# KiCad board Computer Board V2.1.kicad_pcb (continued)
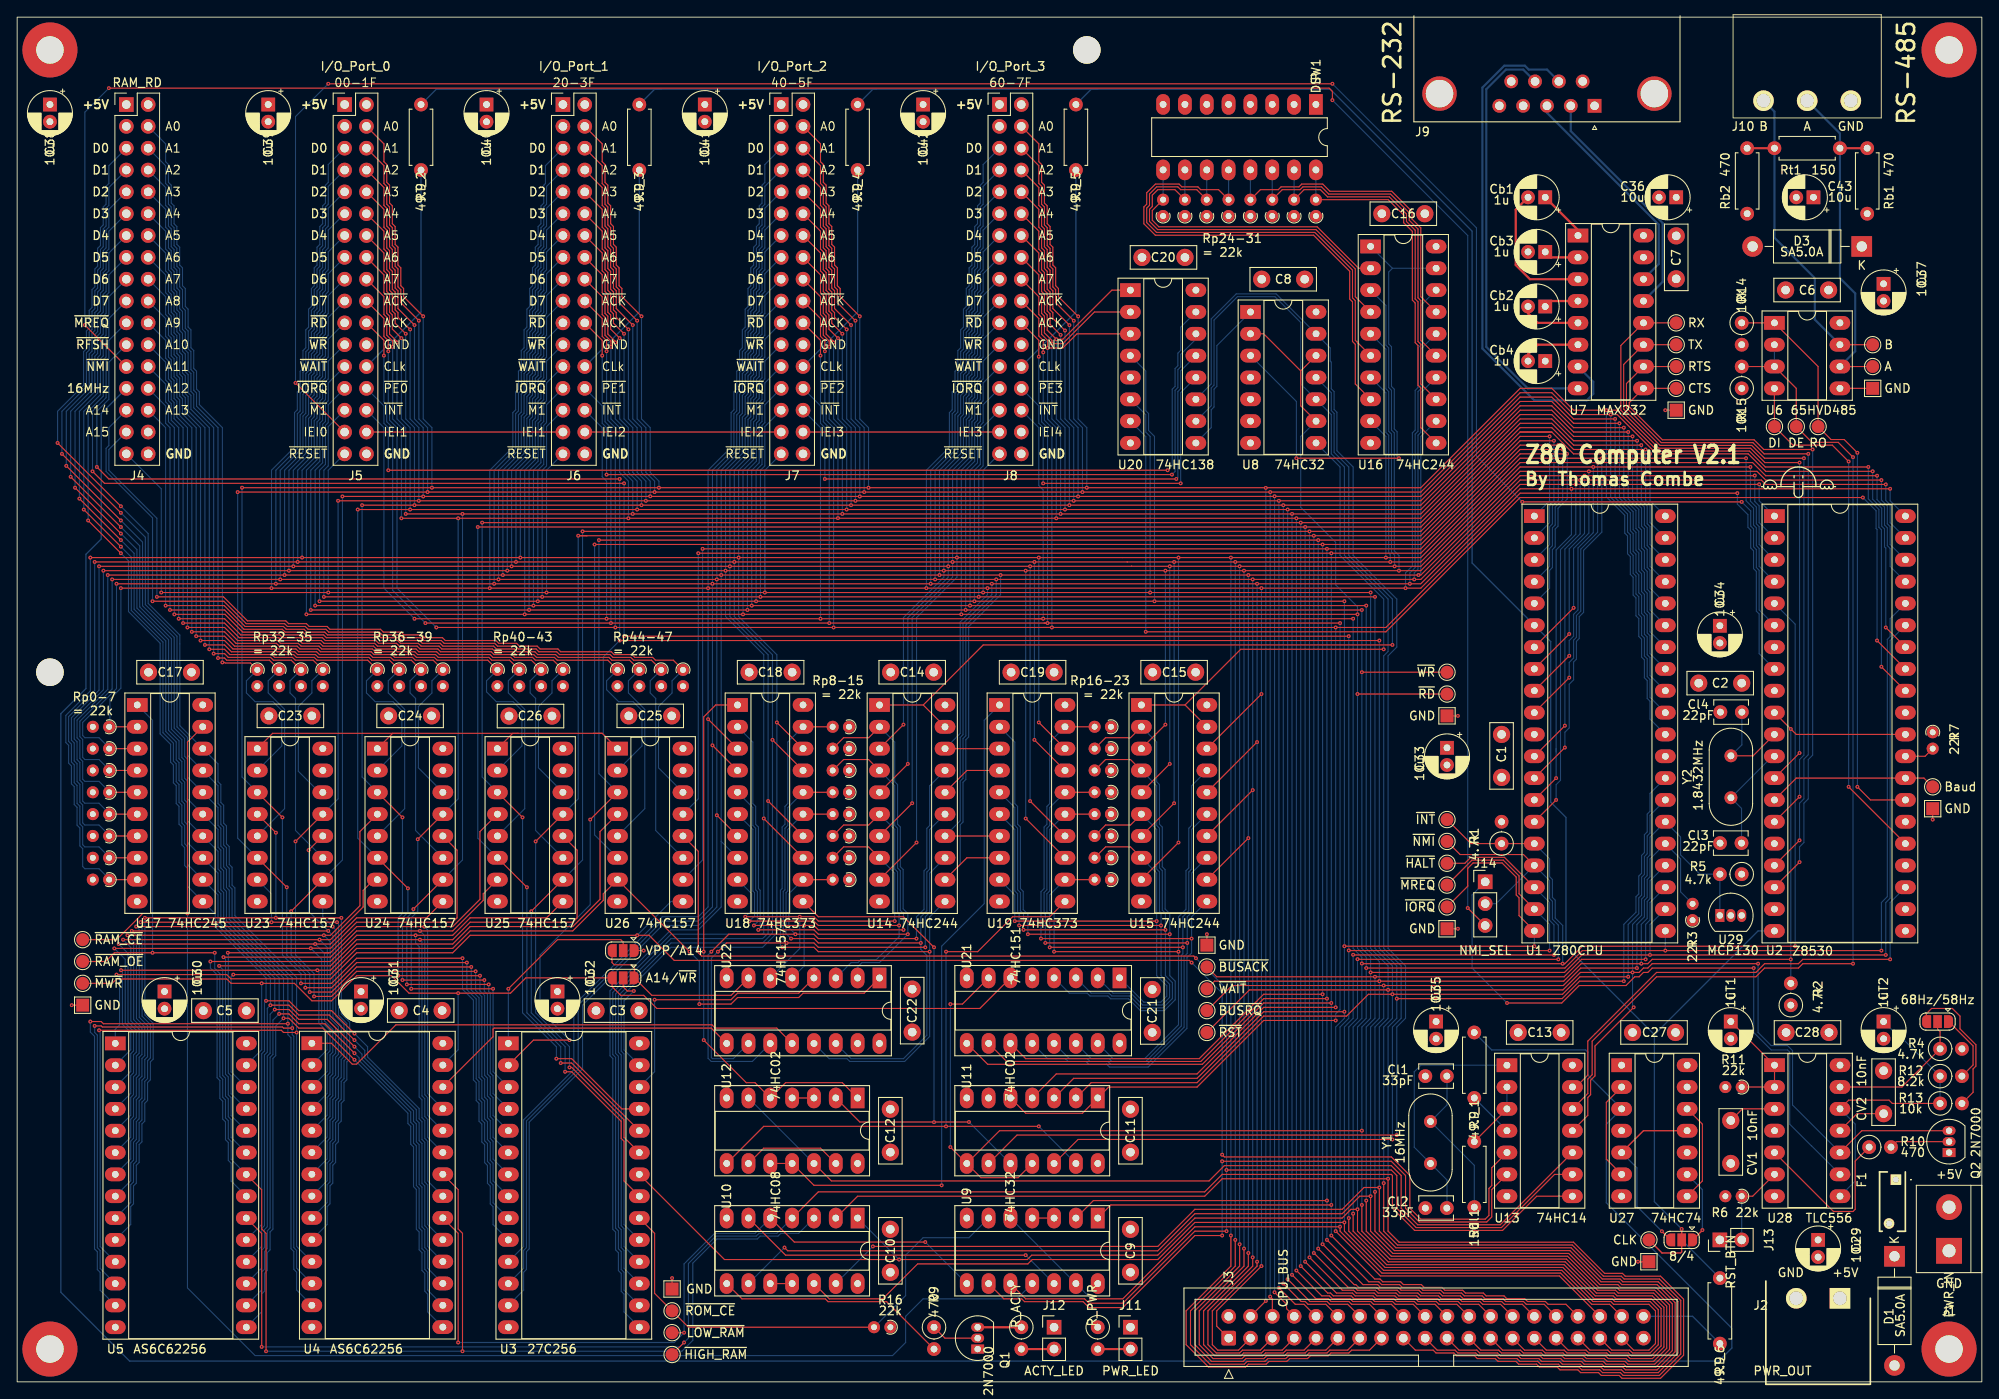
[diagram p0: board, top side]
## Routing (per net, layer and track width the routed paths; a pad name or vN(x,y) marks a point on that pad's centre or on a via; arc(x,y) is an arc through that point) (continued)
  Bottom w0.127: v1(32.13,94.87) 32.13,106.04 33.91,107.82 33.91,112.07 34.23,112.4 34.23,114.48 34.56,114.8 34.56,116.88 34.89,117.21 34.89,119.29 35.21,119.61 35.21,121.69 35.54,122.02 35.54,124.1 35.87,124.42 35.87,126.5 36.2,126.83 36.2,128.9 J5.15 ; v1(180.59,84.45) 180.59,86.23 181.1,86.74 181.1,89.28 181.61,89.79 181.61,97 183.39,98.78 v1(183.39,106.43) ; v1(160.27,94.87) 160.27,96.17 159.91,96.53 159.91,110.25 159.59,110.58 159.59,115.2 159.26,115.52 159.26,120.14 U16.5 ; U2.3 202.69,97.41 202.69,99.49 202.37,99.81 202.37,101.76 201.68,102.45 v1(201.68,106.43) ; v1(117.86,94.87) v1(117.86,67.56) ; J6.15 61.6,128.9 61.6,126.83 61.27,126.5 61.27,124.42 60.94,124.1 60.94,122.02 60.61,121.69 60.61,119.61 60.29,119.29 60.29,117.21 59.96,116.88 59.96,114.8 59.63,114.48 59.63,112.4 59.31,112.07 59.31,107.82 57.53,106.04 v1(57.53,94.87) ; U3.17 70.61,13.21 70.61,15.29 70.28,15.61 70.28,17.69 69.96,18.02 69.96,37.87 69.63,38.2 69.63,45.12 76.07,51.56 86.74,51.56 87.38,52.2 v1(87.38,67.56) 87.38,84.58 82.93,89.03 v1(82.93,94.87) 82.93,106.04 84.71,107.82 84.71,112.07 85.03,112.4 85.03,114.48 85.36,114.8 85.36,116.88 85.69,117.21 85.69,119.29 86.01,119.61 86.01,121.69 86.34,122.02 86.34,124.1 86.67,124.42 86.67,126.5 87,126.83 87,128.9 J7.15 ; 10.79,63.5 9.52,64.77 7.87,64.77 7.62,65.02 7.62,67.1 7.29,67.43 7.29,69.51 6.97,69.83 6.97,71.91 6.64,72.24 6.64,74.32 6.31,74.64 6.31,77.25 9.52,80.46 v1(9.52,94.87) ; v1(103.63,71.88) 103.63,88.9 108.33,93.6 v1(108.33,94.87) 108.33,106.04 110.11,107.82 110.11,112.07 110.43,112.4 110.43,114.48 110.76,114.8 110.76,116.88 111.09,117.21 111.09,119.29 111.41,119.61 111.41,121.69 111.74,122.02 111.74,124.1 112.07,124.42 112.07,126.5 112.4,126.83 112.4,128.9 J8.15 ; v1(134.11,94.87) v1(134.11,71.88) ; v1(142.24,94.87) v1(142.24,16)
/D6: length 776.1
  Top w0.127: 176.53,77.86 v1(180.59,81.91) ; U15.7 v1(134.62,67.31) ; v1(9.02,95.38) v1(108.84,95.38) v1(118.36,95.38) 129.15,95.38 129.17,95.4 129.19,95.38 v1(134.62,95.38) 163.32,95.38 174.88,106.93 v1(183.9,106.93) 201.93,106.93 203.45,105.41 v1(216.41,105.41) ; J3.13 154.81,3.68 152.74,3.68 152.41,3.36 150.33,3.36 150,3.03 147.93,3.03 147.6,2.7 145.52,2.7 145.19,2.38 143.12,2.38 142.79,2.05 138.8,2.05 136.53,4.32 136.53,8.25 141.73,13.46 v1(141.73,16.51) ; 10.79,60.96 U17.8 ; 100.34,63.51 v1(104.14,67.31) ; v1(118.36,74.68) U19.17 ; U18.17 v1(87.88,74.68)
  Bottom w0.127: U3.18 70.61,15.75 70.61,17.83 70.28,18.15 70.28,38.01 69.96,38.34 69.96,44.94 76.07,51.05 86.74,51.05 87.88,52.2 v1(87.88,74.68) 87.88,84.58 83.44,89.03 v1(83.44,95.38) 83.44,106.04 85.03,107.64 85.03,111.94 85.36,112.26 85.36,114.34 85.69,114.67 85.69,116.75 86.01,117.07 86.01,119.15 86.34,119.48 86.34,121.56 86.67,121.88 86.67,123.96 87,124.29 87,126.36 J7.17 ; J6.17 61.6,126.36 61.6,124.29 61.27,123.96 61.27,121.88 60.94,121.56 60.94,119.48 60.61,119.15 60.61,117.07 60.29,116.75 60.29,114.67 59.96,114.34 59.96,112.26 59.63,111.94 59.63,107.64 58.04,106.04 v1(58.04,95.38) ; v1(183.9,106.93) 183.9,98.83 181.94,96.87 181.94,89.65 181.43,89.15 181.43,86.61 181.1,86.28 181.1,84.2 180.59,83.69 v1(180.59,81.91) ; J5.17 36.2,126.36 36.2,124.29 35.87,123.96 35.87,121.88 35.54,121.56 35.54,119.48 35.21,119.15 35.21,117.07 34.89,116.75 34.89,114.67 34.56,114.34 34.56,112.26 34.23,111.94 34.23,107.64 32.64,106.04 v1(32.64,95.38) ; v1(134.62,67.31) v1(134.62,95.38) ; J8.17 112.4,126.36 112.4,124.29 112.07,123.96 112.07,121.88 111.74,121.56 111.74,119.48 111.41,119.15 111.41,117.07 111.09,116.75 111.09,114.67 110.76,114.34 110.76,112.26 110.43,111.94 110.43,107.64 108.84,106.04 v1(108.84,95.38) 108.84,93.6 104.14,88.9 v1(104.14,67.31) ; 10.79,60.96 9.52,62.23 7.87,62.23 7.62,62.48 7.62,64.56 7.29,64.89 7.29,66.97 6.97,67.29 6.97,69.37 6.64,69.7 6.64,71.78 6.31,72.1 6.31,74.18 5.99,74.51 5.99,77.39 9.02,80.42 v1(9.02,95.38) ; U16.7 159.26,115.06 159.26,110.44 159.59,110.12 159.59,96.39 159.77,96.21 v1(159.77,95.38) ; v1(216.41,105.41) 216.41,102.63 217.28,101.76 217.28,99.68 217.6,99.35 217.6,97.27 217.93,96.95 217.93,94.87 219.71,93.09 ; v1(118.36,95.38) v1(118.36,74.68) ; v1(141.73,95.38) v1(141.73,16.51)
/D7: length 765.7
  Top w0.127: v1(8.51,95.88) v1(109.35,95.88) v1(135.13,95.88) v1(159.26,95.88) 163.32,95.88 174.88,107.44 v1(184.4,107.44) v1(201.17,107.44) ; J3.15 157.35,3.68 155.28,3.68 154.95,3.36 152.87,3.36 152.54,3.03 150.47,3.03 150.14,2.7 148.06,2.7 147.73,2.38 145.66,2.38 145.33,2.05 143.25,2.05 142.93,1.72 138.61,1.72 136.02,4.32 136.02,8.25 141.22,13.46 v1(141.22,17.02) ; 176.53,70.24 v1(180.09,73.79) ; U15.9 v1(135.13,62.74) ; v1(118.87,76.71) U19.18 ; U18.18 v1(88.39,76.71) ; 100.34,58.43 v1(104.65,62.74) ; 10.79,58.42 U17.9
  Bottom w0.127: v1(159.26,95.88) 159.26,109.98 U16.9 ; v1(33.15,95.88) 33.15,106.04 34.56,107.46 34.56,111.8 34.89,112.13 34.89,114.21 35.21,114.53 35.21,116.61 35.54,116.94 35.54,119.02 35.87,119.34 35.87,121.42 36.2,121.75 36.2,123.82 J5.19 ; v1(201.17,107.44) 201.17,102.5 202.04,101.63 202.04,99.68 202.37,99.35 202.37,97.27 202.69,96.95 202.69,94.87 204.47,93.09 ; v1(104.65,62.74) 104.65,88.9 109.35,93.6 v1(109.35,95.88) 109.35,106.04 110.76,107.46 110.76,111.8 111.09,112.13 111.09,114.21 111.41,114.53 111.41,116.61 111.74,116.94 111.74,119.02 112.07,119.34 112.07,121.42 112.4,121.75 112.4,123.82 J8.19 ; v1(184.4,107.44) 184.38,107.42 184.38,98.85 182.26,96.73 182.26,89.52 181.76,89.01 181.76,86.47 181.43,86.14 181.43,84.07 181.1,83.74 181.1,81.66 180.59,81.15 180.59,76.07 180.09,75.56 v1(180.09,73.79) ; v1(118.87,95.88) v1(118.87,76.71) ; v1(58.55,95.88) 58.55,106.04 59.96,107.46 59.96,111.8 60.29,112.13 60.29,114.21 60.61,114.53 60.61,116.61 60.94,116.94 60.94,119.02 61.27,119.34 61.27,121.42 61.6,121.75 61.6,123.82 J6.19 ; U3.19 70.61,18.29 70.61,38.15 70.28,38.47 70.28,44.76 76.07,50.55 86.74,50.55 88.39,52.2 v1(88.39,76.71) 88.39,84.58 83.95,89.03 v1(83.95,95.88) 83.95,106.04 85.36,107.46 85.36,111.8 85.69,112.13 85.69,114.21 86.01,114.53 86.01,116.61 86.34,116.94 86.34,119.02 86.67,119.34 86.67,121.42 87,121.75 87,123.82 J7.19 ; v1(8.51,95.88) 8.51,80.37 5.66,77.52 5.66,74.37 5.99,74.04 5.99,71.97 6.31,71.64 6.31,69.56 6.64,69.24 6.64,67.16 6.97,66.83 6.97,64.75 7.29,64.43 7.29,62.35 7.62,62.02 7.62,59.94 7.87,59.69 9.52,59.69 10.79,58.42 ; v1(141.22,95.88) v1(141.22,17.02) ; v1(135.13,95.88) v1(135.13,62.74)
/DE: length 124.3
  Top w0.127: v1(213.61,48.64) 207.77,48.64 207.26,48.13 203.33,48.13 202.31,47.12 190.75,47.12 183.26,39.62 183.26,35.72 182.75,35.22 182.75,33.54 U13.12 ; R15.2 U6.3 207.01,115.57 TP35.1 208.84,109.29 211.89,109.29 v1(213.61,107.57)
  Bottom w0.127: v1(213.61,48.64) v1(213.61,107.57) ; U6.2 U6.3
/DI: length 61.9
  Top w0.127: U6.4 TP36.1 206.63,108.97 211.2,108.97 v1(213.11,107.06) ; U2.25 v1(213.11,69.22)
  Bottom w0.127: v1(213.11,107.06) v1(213.11,69.22)
/DIP0: length 34.1
  Top w0.127: Rp_31.2 132.08,136.26 132.08,135.13 132.84,134.37 151.26,134.37 156.08,129.54 U16.2
  Bottom w0.127: SW1.9 Rp_31.2
/DIP1: length 43.2
  Top w0.127: Rp_30.2 134.71,138.68 132.72,138.68 132.08,138.05 132.08,136.73 131.75,136.4 131.75,134.99 132.71,134.04 151.12,134.04 155.7,129.46 155.7,126.24 U16.4
  Bottom w0.127: SW1.10 Rp_30.2
/DIP2: length 51.6
  Top w0.127: U16.6 155.7,121.16 155.7,125.78 155.38,126.1 155.38,129.32 150.99,133.71 132.57,133.71 131.43,134.86 131.43,136.54 131.75,136.86 131.75,138.18 132.58,139.01 135.06,139.01 135.38,138.68 137.25,138.68 Rp_29.2
  Bottom w0.127: SW1.11 Rp_29.2
/DIP3: length 60
  Top w0.127: Rp_28.2 139.79,138.68 137.71,138.68 137.39,139.01 135.52,139.01 135.19,139.34 132.44,139.34 131.43,138.32 131.43,137 131.1,136.67 131.1,134.72 132.44,133.38 150.85,133.38 155.05,129.19 155.05,125.97 155.38,125.64 155.38,121.02 155.7,120.7 155.7,116.08 U16.8
  Bottom w0.127: SW1.12 Rp_28.2
/DIP4: length 37.2
  Top w0.127: U16.17 163.32,126.24 163.32,134.24 162.31,135.25 162.31,136.13 159.94,138.5 152.75,138.5 151.91,139.34 149.47,139.34 149.14,139.01 147.06,139.01 146.74,138.68 144.66,138.68 Rp_27.2
  Bottom w0.127: SW1.13 Rp_27.2
/DIP5: length 39.2
  Top w0.127: Rp_26.2 147.2,138.68 149.28,138.68 149.6,139.01 151.77,139.01 152.61,138.17 159.8,138.17 161.98,136 161.98,135.12 163,134.1 163,126.1 163.32,125.78 163.32,121.16 U16.15
  Bottom w0.127: SW1.14 Rp_26.2
/DIP6: length 41.2
  Top w0.127: U16.13 163.32,116.08 163.32,120.7 163,121.02 163,125.64 162.67,125.97 162.67,133.97 161.65,134.98 161.65,135.86 159.67,137.85 152.48,137.85 151.64,138.68 149.74,138.68 Rp_25.2
  Bottom w0.127: SW1.15 Rp_25.2
/DIP7: length 42.5
  Top w0.127: Rp_24.2 159.53,137.52 161.33,135.73 161.33,134.85 162.34,133.83 162.34,125.83 162.67,125.5 162.67,120.89 163,120.56 163,115.94 163.32,115.62 163.32,111 U16.11
  Bottom w0.127: SW1.16 Rp_24.2
/IEI0: length 260.5
  Top w0.127: v1(153.03,151) v1(36.2,151) ; J5.31 v1(32.38,116.2) ; v1(175.13,102.36) v1(200.66,102.36)
  Bottom w0.127: v1(153.03,151) 169.8,134.24 169.8,107.7 v1(175.13,102.36) ; v1(200.66,102.36) 201.71,101.31 201.71,99.54 202.04,99.22 202.04,97.14 202.37,96.81 202.37,94.73 202.69,94.41 202.69,89.79 U2.6 ; v1(36.2,151) 32.38,147.19 v1(32.38,116.2)
/IEI1: length 22.9
  Top w0.127: J6.31 J5.32
/IEI2: length 22.9
  Top w0.127: J7.31 J6.32
/IEI3: length 22.9
  Top w0.127: J7.32 J8.31
/Int_~{NMI}: length 76.1
  Top w0.127: v1(173.36,44.07) 179.72,44.07 181.75,46.1 187.2,46.1 188.21,47.12 188.72,47.12 189.23,47.62 189.74,47.62 190.25,48.13 v1(202.06,48.13)
  Bottom w0.127: J14.1 169.29,56.64 169.29,48.13 v1(173.36,44.07) ; U28.9 208.79,27.45 208.77,27.45 206.25,29.97 206.25,38.35 205.99,38.61 204.09,38.61 202.06,40.64 v1(202.06,48.13)
/Low_RAM_A13: length 37.1
  Top w0.127: U4.26 55.37,40.15 55.37,41.02 55.5,41.15 80.76,41.15 U22.9
/Low_RAM_A14: length 59.7
  Top w0.127: U22.12 88.38,41.15 81.22,41.15 80.84,41.53 44.07,41.53 39.5,36.96 38.99,36.96 36.56,39.38 U4.1
/MonotableNode: length 20.2
  Top w0.127: R10.1 213.87,25.68 213.87,20.07 213.61,19.81 211.34,19.81 U28.5
/Protect_Q0: length 98.1
  Top w0.127: U15.2 129.54,74.93 126.64,74.93 Rp_16.2 ; v1(117.6,52.07) v1(134.11,52.07)
  Bottom w0.127: U19.2 116.08,74.42 116.08,67.26 116.41,66.94 116.41,64.86 116.73,64.53 116.73,57.38 117.06,57.05 117.06,54.93 117.6,54.39 v1(117.6,52.07) ; U21.4 122.43,45.21 124.51,45.21 124.83,44.88 126.91,44.88 127.24,44.56 129.31,44.56 130.69,43.18 133.48,43.18 134.75,44.45 134.75,46.61 134.11,47.24 v1(134.11,52.07) 134.11,54.46 133.57,55.01 133.57,59.59 133.24,59.92 133.24,64.53 132.92,64.86 132.92,69.48 132.59,69.8 132.59,74.42 U15.2
/Protect_Q1: length 81.3
  Top w0.127: Rp_17.2 126.64,72.39 129.54,72.39 U15.4 ; v1(117.09,52.58) v1(133.6,52.58)
  Bottom w0.127: U21.3 124.97,45.21 127.05,45.21 127.37,44.88 129.45,44.88 130.83,43.51 133.34,43.51 134.42,44.59 134.42,46.43 133.6,47.24 v1(133.6,52.58) 133.6,54.51 133.24,54.87 133.24,59.45 132.92,59.78 132.92,64.4 132.59,64.72 132.59,69.34 U15.4 ; U19.5 116.08,66.8 116.08,64.72 116.41,64.4 116.41,57.24 116.73,56.91 116.73,54.8 117.09,54.44 v1(117.09,52.58)
/Protect_Q2: length 69.6
  Top w0.127: v1(116.59,53.09) v1(133.1,53.09) ; U15.6 129.54,64.77 126.64,64.77 Rp_18.2
  Bottom w0.127: v1(116.59,53.09) 116.59,54.48 116.41,54.66 116.41,56.78 116.08,57.1 116.08,64.26 U19.6 ; U15.6 132.59,64.26 132.59,59.64 132.92,59.32 132.92,54.74 133.1,54.56 v1(133.1,53.09) 133.1,47.24 134.09,46.25 134.09,44.72 133.21,43.83 130.96,43.83 129.59,45.21 127.51,45.21 U21.2
/Protect_Q3: length 52.8
  Top w0.127: U15.8 129.54,62.23 126.64,62.23 Rp_19.2 ; v1(132.59,53.59) v1(116.08,53.59)
  Bottom w0.127: v1(116.08,53.59) 116.08,56.64 U19.9 ; U15.8 132.59,59.18 v1(132.59,53.59) 132.59,47.24 133.77,46.07 133.77,44.87 133.06,44.16 131.1,44.16 U21.1
/Protect_Q4: length 70
  Top w0.127: Rp_20.2 U19.12 ; v1(135.13,50.04) v1(120.65,50.04)
  Bottom w0.127: U19.12 120.14,56.64 120.14,54.86 120.65,54.36 v1(120.65,50.04) ; U15.17 136.65,69.34 136.65,64.72 136.33,64.4 136.33,59.78 136,59.45 136,54.97 135.13,54.1 v1(135.13,50.04) 135.13,41.53 131.19,37.59 127.51,37.59 U21.15
/Protect_Q5: length 76.2
  Top w0.127: v1(120.14,50.55) v1(135.64,50.55) ; U19.15 Rp_21.2
  Bottom w0.127: U21.14 124.97,37.59 127.05,37.59 127.37,37.26 131.33,37.26 135.46,41.39 135.46,49.6 135.64,49.78 v1(135.64,50.55) 135.64,54.1 136.33,54.79 136.33,59.32 136.65,59.64 136.65,64.26 U15.15 ; U19.15 120.14,64.26 120.14,57.1 119.81,56.78 119.81,54.68 120.14,54.36 v1(120.14,50.55)
/Protect_Q6: length 77.3
  Top w0.127: v1(136.14,51.05) v1(119.63,51.05) ; Rp_22.2 U19.16
  Bottom w0.127: U21.13 122.43,37.59 124.51,37.59 124.83,37.26 126.91,37.26 127.24,36.94 131.46,36.94 135.78,41.26 135.78,49.47 136.14,49.83 v1(136.14,51.05) 136.14,54.1 136.65,54.61 136.65,59.18 U15.13 ; U19.16 120.14,66.8 120.14,64.72 119.81,64.4 119.81,57.24 119.49,56.91 119.49,54.5 119.63,54.36 v1(119.63,51.05)
/Protect_Q7: length 83.5
  Top w0.127: v1(136.65,51.56) v1(119.13,51.56) ; Rp_23.2 U19.19
  Bottom w0.127: U15.11 136.65,54.1 v1(136.65,51.56) 136.65,49.88 136.11,49.33 136.11,41.12 131.6,36.61 127.1,36.61 126.77,36.94 124.7,36.94 124.37,37.26 122.29,37.26 121.97,37.59 119.89,37.59 U21.12 ; v1(119.13,51.56) 119.13,57.01 119.49,57.38 119.49,64.53 119.81,64.86 119.81,66.94 120.14,67.26 120.14,74.42 U19.19
/Protect_Register/WR: length 80.8
  Top w0.127: v1(108.08,50.04) 111.76,50.04 115.82,54.1 120.14,54.1 U19.11 ; v1(118.87,29.72) v1(108.08,29.72) 86.87,29.72 U12.8
  Bottom w0.127: U11.13 v1(118.87,29.72) ; v1(108.08,29.72) v1(108.08,50.04)
/Protect_Register/~{OE}: length 79.7
  Top w0.127: v1(107.57,22.86) 92.71,22.86 U12.11 U12.10
  Bottom w0.127: v1(107.57,22.86) 107.57,50.67 112.52,55.63 112.52,76.96 U19.1
/RAM_A0: length 115.2
  Top w0.127: v1(14.86,53.97) v1(30.1,53.97) v1(37.72,53.97) ; U23.4 v1(30.1,63.88)
  Bottom w0.127: v1(14.86,53.97) 14.86,42.67 15.82,41.71 15.82,37.54 15.5,37.21 15.5,35.13 15.17,34.81 15.17,32.73 14.84,32.4 14.84,30.33 14.52,30 14.52,27.92 14.19,27.59 14.19,25.52 13.86,25.19 13.86,23.11 13.54,22.79 13.54,20.71 13.21,20.38 13.21,18.3 U5.10 ; U4.10 36.07,18.31 36.07,20.39 36.4,20.71 36.4,22.79 36.72,23.12 36.72,25.19 37.05,25.52 37.05,27.6 37.38,27.93 37.38,30 37.7,30.33 37.7,32.41 38.03,32.74 38.03,34.81 38.36,35.14 38.36,37.22 38.68,37.54 38.68,41.83 37.72,42.8 v1(37.72,53.97) ; v1(30.1,63.88) v1(30.1,53.97)
/RAM_A1: length 101.6
  Top w0.127: v1(37.21,53.47) v1(14.35,53.47)
  Bottom w0.127: v1(14.35,53.47) 14.53,53.29 14.53,42.54 15.5,41.57 15.5,37.67 15.17,37.35 15.17,35.27 14.84,34.94 14.84,32.87 14.52,32.54 14.52,30.46 14.19,30.13 14.19,28.06 13.86,27.73 13.86,25.65 13.54,25.33 13.54,23.25 13.21,22.92 13.21,20.84 U5.9 ; U4.9 36.07,20.85 36.07,22.93 36.4,23.25 36.4,25.33 36.72,25.66 36.72,27.73 37.05,28.06 37.05,30.14 37.38,30.47 37.38,32.54 37.7,32.87 37.7,34.95 38.03,35.28 38.03,37.35 38.36,37.68 38.36,41.7 37.39,42.66 37.39,53.29 v1(37.21,53.47) ; v1(29.59,53.47) 29.59,56.77 U23.7
/RAM_A2: length 93.2
  Top w0.127: v1(36.7,52.96) v1(13.84,52.96)
  Bottom w0.127: U5.8 13.21,23.38 13.21,25.46 13.54,25.79 13.54,27.87 13.86,28.19 13.86,30.27 14.19,30.6 14.19,32.67 14.52,33 14.52,35.08 14.84,35.41 14.84,37.48 15.17,37.81 15.17,41.44 14.21,42.4 14.21,52.6 v1(13.84,52.96) ; U4.8 36.07,23.39 36.07,25.46 36.07,25.46 36.4,25.79 36.4,27.87 36.72,28.2 36.72,30.27 37.05,30.6 37.05,32.68 37.38,33.01 37.38,35.08 37.7,35.41 37.7,37.49 38.03,37.82 38.03,41.56 37.07,42.53 37.07,52.59 36.7,52.95 ; U23.9 35.56,54.1 v1(36.7,52.96)
/RAM_A3: length 96.3
  Top w0.127: U23.12 v1(33.91,61.85) ; v1(13.34,52.45) v1(36.2,52.45)
  Bottom w0.127: v1(13.34,52.45) 13.88,51.91 13.88,42.27 14.84,41.3 14.84,37.95 14.52,37.62 14.52,35.54 14.19,35.21 14.19,33.14 13.86,32.81 13.86,30.73 13.54,30.41 13.54,28.33 13.21,28 13.21,25.92 U5.7 ; v1(33.91,61.85) 33.91,54.74 v1(36.2,52.45) 36.74,51.91 36.74,42.39 37.7,41.43 37.7,37.95 37.38,37.62 37.38,35.55 37.05,35.22 37.05,33.14 36.72,32.81 36.72,30.74 36.4,30.41 36.4,28.33 36.07,28.01 36.07,25.93 U4.7
/RAM_A4: length 94.5
  Top w0.127: v1(12.83,51.94) v1(35.69,51.94) 36.45,51.94 39.88,55.37 39.88,64.01 U24.4
  Bottom w0.127: v1(35.69,51.94) 36.41,51.22 36.41,42.26 37.38,41.29 37.38,38.09 37.05,37.76 37.05,35.68 36.72,35.35 36.72,33.28 36.4,32.95 36.4,30.87 36.07,30.55 36.07,28.47 U4.6 ; U5.6 13.21,28.46 13.21,30.54 13.54,30.87 13.54,32.95 13.86,33.27 13.86,35.35 14.19,35.68 14.19,37.75 14.52,38.08 14.52,41.17 13.55,42.13 13.55,51.22 v1(12.83,51.94)
/RAM_A5: length 81.5
  Top w0.127: v1(12.32,51.44) v1(35.18,51.44) 36.45,51.44 40.26,55.25 40.26,57.17 41.51,58.42
  Bottom w0.127: v1(12.32,51.44) 13.22,50.53 13.22,41.99 14.19,41.03 14.19,38.22 13.86,37.89 13.86,35.81 13.54,35.49 13.54,33.41 13.21,33.08 13.21,31 U5.5 ; v1(35.18,51.44) 36.08,50.53 36.08,42.12 37.05,41.16 37.05,38.22 36.72,37.89 36.72,35.82 36.4,35.49 36.4,33.41 36.07,33.09 36.07,31.01 U4.5
/RAM_A6: length 81.8
  Top w0.127: U24.9 47.63,53.97 39.5,53.97 36.45,50.93 v1(34.67,50.93) v1(11.81,50.93)
  Bottom w0.127: v1(11.81,50.93) 12.9,49.84 12.9,41.86 13.86,40.89 13.86,38.35 13.54,38.03 13.54,35.95 13.21,35.62 13.21,33.54 U5.4 ; U4.4 36.07,33.55 36.07,35.63 36.4,35.95 36.4,38.03 36.72,38.36 36.72,41.02 35.76,41.99 35.76,49.84 v1(34.67,50.93)
/RAM_A7: length 87.4
  Top w0.127: v1(11.3,50.42) 34.14,50.42 v1(34.16,50.44) 36.47,50.44 39.5,53.47 50.67,53.47 51.18,53.97 51.18,61.85 U24.12
  Bottom w0.127: U4.3 36.07,36.09 36.07,38.17 36.4,38.49 36.4,40.89 35.43,41.85 35.43,49.17 v1(34.16,50.44) ; U5.3 13.21,36.08 13.21,38.16 13.54,38.49 13.54,40.76 12.57,41.72 12.57,49.15 v1(11.3,50.42)
/RAM_A8: length 84.3
  Top w0.127: v1(24.51,49.91) 35.81,49.91 ; 35.81,49.91 36.28,49.91 ; 35.81,49.91 36.28,49.91 ; 36.28,49.91 36.45,49.91 39.5,52.96 v1(47.37,52.96) 50.67,52.96 53.85,56.13 53.85,64.01 U25.4
  Bottom w0.127: U4.25 47.75,33.54 47.75,52.58 v1(47.37,52.96) ; U5.25 24.89,33.51 24.89,35.59 24.57,35.92 24.57,49.86 v1(24.51,49.91)
/RAM_A9: length 81.7
  Top w0.127: U25.7 54.23,56.77 54.23,56.01 50.67,52.45 v1(46.86,52.45) 39.5,52.45 36.45,49.4 v1(24,49.4)
  Bottom w0.127: U5.24 24.89,30.97 24.89,33.05 24.57,33.38 24.57,35.46 24.24,35.78 24.24,49.17 v1(24,49.4) ; U4.24 47.75,31 47.75,33.08 47.43,33.4 47.43,51.89 v1(46.86,52.45)
/RAM_A10: length 104.6
  Top w0.127: v1(22.48,48.89) 36.45,48.89 39.5,51.94 v1(46.35,51.94) 50.67,51.94 52.71,53.97 61.6,53.97 U25.9
  Bottom w0.127: v1(46.35,51.94) 46.35,51.05 46.77,50.64 46.77,33.13 47.1,32.8 47.1,30.73 47.43,30.4 47.43,28.32 47.75,28 47.75,23.38 U4.21 ; v1(22.48,48.89) 22.48,48.13 23.26,47.35 23.26,35.38 23.58,35.05 23.58,32.97 23.91,32.64 23.91,30.57 24.24,30.24 24.24,28.16 24.57,27.84 24.57,25.76 24.89,25.43 24.89,23.35 U5.21
/RAM_A11: length 103.1
  Top w0.127: U25.12 65.15,61.85 65.15,53.97 64.64,53.47 52.71,53.47 50.67,51.44 v1(46.86,51.44) 39.5,51.44 36.45,48.39 v1(23.49,48.39)
  Bottom w0.127: v1(23.49,48.39) 23.91,47.97 23.91,35.65 24.24,35.32 24.24,33.24 24.57,32.92 24.57,30.84 24.89,30.51 24.89,28.43 U5.23 ; v1(46.86,51.44) 47.1,51.2 47.1,33.27 47.43,32.94 47.43,30.86 47.75,30.54 47.75,28.46 U4.23
/RAM_A12: length 94.4
  Top w0.127: U26.4 67.82,64.01 67.82,56.13 64.64,52.96 52.71,52.96 50.67,50.93 39.5,50.93 36.45,47.88 v1(34.93,47.88) v1(12.08,47.88)
  Bottom w0.127: v1(12.08,47.88) 12.24,47.72 12.24,41.59 13.21,40.62 13.21,38.62 U5.2 ; v1(34.93,47.88) 35.1,47.7 35.1,41.72 36.07,40.75 36.07,38.63 U4.2
/RAM_A13: length 104.3
  Top w0.127: v1(78.23,50.04) U26.7 68.2,56.77 68.2,56.01 64.64,52.45 52.71,52.45 50.67,50.42 39.5,50.42 36.45,47.37 v1(25.15,47.37) ; v1(79.38,43.94) 83.06,43.94 83.82,44.7 90.93,44.7 91.44,45.21 98.55,45.21 98.8,45.46 98.81,45.46 U22.1
  Bottom w0.127: v1(78.23,50.04) 79.38,48.89 v1(79.38,43.94) ; v1(25.15,47.37) 24.89,47.12 24.89,36.05 U5.26
/RAM_A14: length 212.6
  Top w0.127: v1(136.65,48.77) 136.4,49.02 76.45,49.02 73.53,51.94 v1(72.14,51.94) 52.71,51.94 50.67,49.91 39.5,49.91 36.47,46.88 24.87,46.88 24.38,47.37 v1(11.56,47.37) ; v1(140.21,26.42) 140.46,26.16 159.89,26.16 162.05,24 162.05,20.19 163.32,18.92 170.81,18.92 171.25,19.36 171.25,22.5 171.58,22.82 171.58,24.9 U13.5
  Bottom w0.127: v1(11.56,47.37) 11.92,47.01 11.92,41.52 11.41,41.02 U5.1 ; v1(136.65,48.77) 140.21,45.21 v1(140.21,26.42) ; v1(72.14,51.94) 76.07,55.88 U26.9
/RAM_A15: length 183.1
  Top w0.127: U9.10 117.35,9.65 124.21,9.65 124.71,9.14 128.65,9.14 137.03,17.53 v1(140.72,17.53) ; v1(137.16,49.28) 136.91,49.53 79.63,49.53 79.25,49.91 79.25,61.72 U26.12 ; v1(140.72,24.64) 159.89,24.64 160.53,24 160.53,20.19 162.78,17.94 172.7,17.94 178.89,24.13 U13.9
  Bottom w0.127: v1(137.16,49.28) 140.72,45.72 v1(140.72,24.64) v1(140.72,17.53)
/RAM_D0: length 195.9
  Top w0.127: v1(32.51,40.64) 30.99,40.64 30.73,40.89 v1(9.52,40.89) ; v1(4.7,109.22) v1(12.07,101.85)
  Bottom w0.127: U4.11 32.51,15.76 v1(32.51,40.64) 32.51,47.05 25.33,54.23 25.33,57.45 25,57.78 25,59.86 24.68,60.19 24.68,62.26 24.35,62.59 24.35,64.67 24.02,65 24.02,67.07 23.7,67.4 23.7,69.48 23.37,69.8 23.37,71.88 U17.18 18.92,76.33 18.92,86.87 15.24,90.55 15.24,98.68 v1(12.07,101.85) ; v1(4.7,109.22) 4.7,112.9 7.73,115.93 7.73,119.84 8.05,120.16 8.05,122.24 8.38,122.57 8.38,124.65 8.71,124.97 8.71,127.05 9.03,127.38 9.03,129.46 9.36,129.78 9.36,131.86 9.69,132.19 9.69,134.26 10.01,134.59 10.01,136.67 10.34,137 10.34,139.07 10.67,139.4 10.67,141.48 J4.5 ; U5.11 9.65,15.73 9.65,40.77 v1(9.52,40.89)
/RAM_D1: length 198.7
  Top w0.127: v1(32,41.15) 30.99,41.15 30.86,41.28 9.91,41.28 9.78,41.4 v1(9.02,41.4) ; v1(12.07,101.09) v1(5.21,107.95)
  Bottom w0.127: v1(5.21,107.95) 5.21,112.9 8.05,115.75 8.05,119.7 8.38,120.03 8.38,122.11 8.71,122.43 8.71,124.51 9.03,124.84 9.03,126.92 9.36,127.24 9.36,129.32 9.69,129.65 9.69,131.72 10.01,132.05 10.01,134.13 10.34,134.46 10.34,136.53 10.67,136.86 10.67,138.94 J4.7 ; v1(9.02,41.4) 9.02,40.64 9.33,40.33 9.33,15.6 9.65,15.27 9.65,13.19 U5.12 ; v1(12.07,101.09) 14.91,98.24 14.91,90.42 18.6,86.73 18.6,76.19 19.81,74.98 19.81,72.9 U17.17 23.37,69.34 23.37,67.26 23.7,66.94 23.7,64.86 24.02,64.53 24.02,62.46 24.35,62.13 24.35,60.05 24.68,59.72 24.68,57.65 25,57.32 25,53.99 32,46.99 v1(32,41.15) 32,40.39 32.19,40.2 32.19,15.62 32.51,15.3 32.51,13.22 U4.12
/RAM_D2: length 201.6
  Top w0.127: v1(31.5,41.66) 10.03,41.66 9.78,41.91 v1(8.51,41.91) ; v1(12.07,100.2) v1(5.71,106.55)
  Bottom w0.127: v1(5.71,106.55) 5.71,112.9 8.38,115.57 8.38,119.57 8.71,119.89 8.71,121.97 9.03,122.3 9.03,124.38 9.36,124.7 9.36,126.78 9.69,127.11 9.69,129.18 10.01,129.51 10.01,131.59 10.34,131.92 10.34,133.99 10.67,134.32 10.67,136.4 J4.9 ; v1(8.51,41.91) 8.51,40.69 9,40.2 9,15.46 9.33,15.14 9.33,13.06 9.65,12.73 9.65,10.65 U5.13 ; U4.13 32.51,10.68 32.51,12.76 32.19,13.08 32.19,15.16 31.86,15.49 31.86,40.02 31.5,40.39 v1(31.5,41.66) 31.5,46.99 24.68,53.81 24.68,57.18 24.35,57.51 24.35,59.59 24.02,59.92 24.02,61.99 23.7,62.32 23.7,64.4 23.37,64.72 23.37,66.8 U17.16 19.81,70.36 19.81,72.44 19.49,72.76 19.49,74.84 18.27,76.06 18.27,86.6 14.59,90.28 14.59,97.68 v1(12.07,100.2)
/RAM_D3: length 189.9
  Top w0.127: v1(30.99,42.29) 31.62,42.29 32.77,41.15 35.56,41.15 v1(39.24,37.47) ; v1(12.07,99.44) v1(6.22,105.28)
  Bottom w0.127: v1(12.07,99.44) 14.26,97.25 14.26,90.14 17.94,86.46 17.94,75.92 19.16,74.7 19.16,72.63 19.49,72.3 19.49,70.22 19.81,69.9 19.81,67.82 U17.15 23.37,64.26 23.37,62.18 23.7,61.86 23.7,59.78 24.02,59.45 24.02,57.38 24.35,57.05 24.35,53.63 30.99,46.99 v1(30.99,42.29) 30.08,41.39 30.08,37.95 29.76,37.62 29.76,17.76 29.43,17.43 29.43,17.43 29.43,15.36 29.1,15.03 29.1,12.95 28.77,12.63 28.77,10.55 28.45,10.22 28.45,8.14 U5.15 ; v1(39.24,37.47) 45.46,31.25 45.46,30.05 45.79,29.72 45.79,27.65 46.12,27.32 46.12,22.7 46.44,22.37 46.44,17.76 46.77,17.43 46.77,15.35 47.1,15.02 47.1,12.95 47.43,12.62 47.43,10.54 47.75,10.22 47.75,8.14 U4.15 ; J4.11 10.67,133.86 10.67,131.78 10.34,131.45 10.34,129.38 10.01,129.05 10.01,126.97 9.69,126.64 9.69,124.57 9.36,124.24 9.36,122.16 9.03,121.84 9.03,119.76 8.71,119.43 8.71,115.39 6.22,112.9 v1(6.22,105.28)
/RAM_D4: length 182.6
  Top w0.127: v1(39.24,38.23) 35.81,41.66 32.77,41.66 31.62,42.8 v1(30.48,42.8) ; v1(6.73,104.01) v1(12.07,98.68)
  Bottom w0.127: U4.16 47.75,10.68 47.75,12.76 47.43,13.08 47.43,15.16 47.1,15.49 47.1,17.56 46.77,17.89 46.77,22.51 46.44,22.84 46.44,27.45 46.12,27.78 46.12,29.86 45.79,30.19 45.79,31.38 39.79,37.38 39.79,37.68 v1(39.24,38.23) ; v1(6.73,104.01) 6.73,112.9 9.03,115.2 9.03,119.3 9.36,119.62 9.36,121.7 9.69,122.03 9.69,124.1 10.01,124.43 10.01,126.51 10.34,126.84 10.34,128.91 10.67,129.24 10.67,131.32 J4.13 ; v1(12.07,98.68) 13.93,96.81 13.93,90.01 17.62,86.33 17.62,75.79 18.83,74.57 18.83,72.49 19.16,72.16 19.16,70.09 19.49,69.76 19.49,67.68 19.81,67.36 19.81,65.28 U17.14 23.37,61.72 23.37,59.64 23.7,59.32 23.7,57.24 24.02,56.91 24.02,53.45 30.48,46.99 v1(30.48,42.8) 29.76,42.07 29.76,38.08 29.43,37.75 29.43,17.9 29.1,17.57 29.1,15.49 28.77,15.17 28.77,13.09 28.45,12.76 28.45,10.68 U5.16
